# Altium PCB AX7103-2021-0629.PcbDoc (part 7 of 7)
Units mil, origin at the board's own origin, x right, y up, seen from the top; angles counter-clockwise.
Board outline 7406.51 x 4363.82 mil, 6 copper layers (TOP, SGND, IN1, IN2, SGND1, BOTTOM), stack 47.2 mil thick; 347 components, 454 nets, 1784 pads, 724 vias.
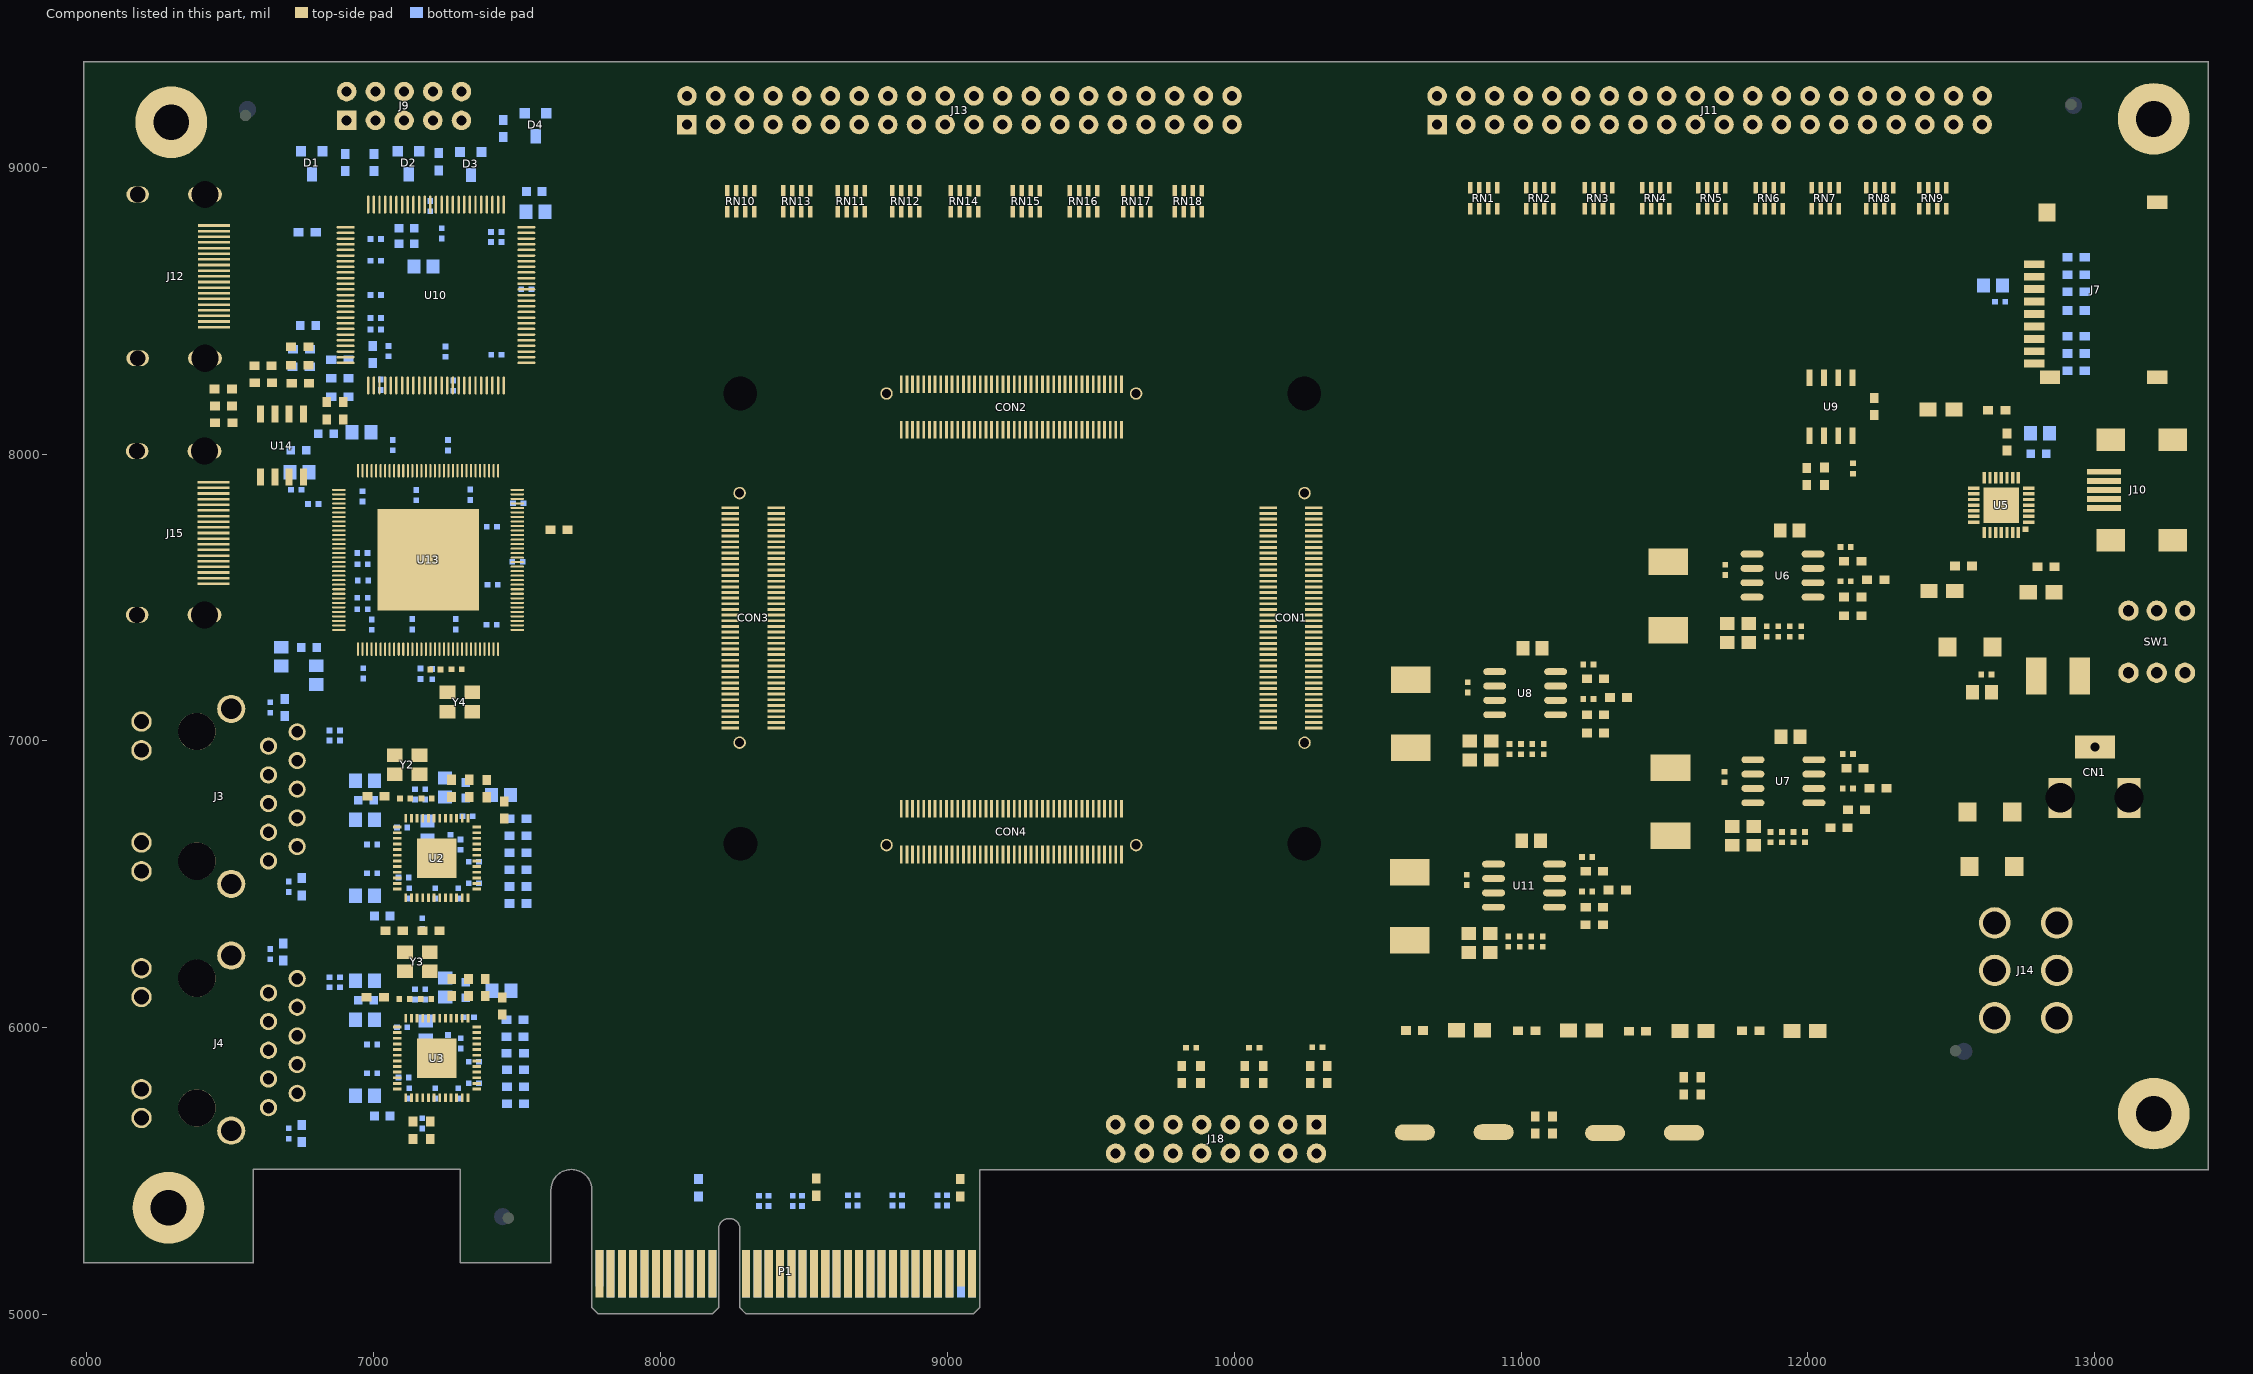
[diagram p11: the components of this part, seen from the top]

## Other copper (continued)
BOTTOM:
  pour cut-out: 0,0 10,0 10,10 0,10
  pour cut-out: 0,0 10,0 10,10 0,10
  pour cut-out: 0,0 10,0 10,10 0,10
  pour cut-out: 0,0 10,0 10,10 0,10
  pour cut-out: 0,0 10,0 10,10 0,10
  pour cut-out: 0,0 10,0 10,10 0,10
  pour cut-out: 0,0 10,0 10,10 0,10
  pour cut-out: 0,0 10,0 10,10 0,10
  pour cut-out: 0,0 10,0 10,10 0,10
  pour cut-out: 0,0 10,0 10,10 0,10
  pour cut-out: 0,0 10,0 10,10 0,10
  pour cut-out: 0,0 10,0 10,10 0,10
  pour cut-out: 0,0 10,0 10,10 0,10
  pour cut-out: 0,0 10,0 10,10 0,10
  pour cut-out: 0,0 10,0 10,10 0,10
  pour cut-out: 0,0 10,0 10,10 0,10
  pour cut-out: 0,0 10,0 10,10 0,10
  pour cut-out: 0,0 10,0 10,10 0,10
  pour cut-out: 0,0 10,0 10,10 0,10
  pour cut-out: 0,0 10,0 10,10 0,10
  pour cut-out: 11022.84,6923.85 11021.72,6929.52 11018.51,6934.32 11013.71,6937.53 11008.04,6938.65 11002.37,6937.53 10997.57,6934.32 10994.36,6929.52 10993.24,6923.85 10994.36,6918.18 10997.57,6913.38 11002.37,6910.17 11008.04,6909.05 11013.71,6910.17 11018.51,6913.38 11021.72,6918.18 11022.84,6923.85
  pour cut-out: 10977.84,6923.85 10976.72,6929.52 10973.51,6934.32 10968.71,6937.53 10963.04,6938.65 10957.37,6937.53 10952.57,6934.32 10949.36,6929.52 10948.24,6923.85 10949.36,6918.18 10952.57,6913.38 10957.37,6910.17 10963.04,6909.05 10968.71,6910.17 10973.51,6913.38 10976.72,6918.18 10977.84,6923.85
  pour cut-out: 10985.4,7091.62 10984.28,7097.29 10981.07,7102.09 10976.27,7105.3 10970.6,7106.42 10964.93,7105.3 10960.13,7102.09 10956.92,7097.29 10955.8,7091.62 10956.92,7085.95 10960.13,7081.15 10964.93,7077.94 10970.6,7076.82 10976.27,7077.94 10981.07,7081.15 10984.28,7085.95 10985.4,7091.62
  pour cut-out: 11123.84,6646.85 11122.72,6652.52 11119.51,6657.32 11114.71,6660.53 11109.04,6661.65 11103.37,6660.53 11098.57,6657.32 11095.36,6652.52 11094.24,6646.85 11095.36,6641.18 11098.57,6636.38 11103.37,6633.17 11109.04,6632.05 11114.71,6633.17 11119.51,6636.38 11122.72,6641.18 11123.84,6646.85
  pour cut-out: 11127.84,7317.85 11126.72,7323.52 11123.51,7328.32 11118.71,7331.53 11113.04,7332.65 11107.37,7331.53 11102.57,7328.32 11099.36,7323.52 11098.24,7317.85 11099.36,7312.18 11102.57,7307.38 11107.37,7304.17 11113.04,7303.05 11118.71,7304.17 11123.51,7307.38 11126.72,7312.18 11127.84,7317.85
  pour cut-out: 11336.4,6595.62 11335.28,6601.29 11332.07,6606.09 11327.27,6609.3 11321.6,6610.42 11315.93,6609.3 11311.13,6606.09 11307.92,6601.29 11306.8,6595.62 11307.92,6589.95 11311.13,6585.15 11315.93,6581.94 11321.6,6580.82 11327.27,6581.94 11332.07,6585.15 11335.28,6589.95 11336.4,6595.62
  pour cut-out: 11384.4,7118.62 11383.28,7124.29 11380.07,7129.09 11375.27,7132.3 11369.6,7133.42 11363.93,7132.3 11359.13,7129.09 11355.92,7124.29 11354.8,7118.62 11355.92,7112.95 11359.13,7108.15 11363.93,7104.94 11369.6,7103.82 11375.27,7104.94 11380.07,7108.15 11383.28,7112.95 11384.4,7118.62
  pour cut-out: 11347.26,7091.76 11346.14,7097.43 11342.93,7102.23 11338.13,7105.44 11332.46,7106.56 11326.79,7105.44 11321.99,7102.23 11318.78,7097.43 11317.66,7091.76 11318.78,7086.09 11321.99,7081.29 11326.79,7078.08 11332.46,7076.96 11338.13,7078.08 11342.93,7081.29 11346.14,7086.09 11347.26,7091.76
  pour cut-out: 11340.4,7266.62 11339.28,7272.29 11336.07,7277.09 11331.27,7280.3 11325.6,7281.42 11319.93,7280.3 11315.13,7277.09 11311.92,7272.29 11310.8,7266.62 11311.92,7260.95 11315.13,7256.15 11319.93,7252.94 11325.6,7251.82 11331.27,7252.94 11336.07,7256.15 11339.28,7260.95 11340.4,7266.62
  pour cut-out: 11882.4,7501.62 11881.28,7507.29 11878.07,7512.09 11873.27,7515.3 11867.6,7516.42 11861.93,7515.3 11857.13,7512.09 11853.92,7507.29 11852.8,7501.62 11853.92,7495.95 11857.13,7491.15 11861.93,7487.94 11867.6,7486.82 11873.27,7487.94 11878.07,7491.15 11881.28,7495.95 11882.4,7501.62
  pour cut-out: 12033.84,7014.62 12032.72,7020.29 12029.51,7025.09 12024.71,7028.3 12019.04,7029.42 12013.37,7028.3 12008.57,7025.09 12005.36,7020.29 12004.24,7014.62 12005.36,7008.95 12008.57,7004.15 12013.37,7000.94 12019.04,6999.82 12024.71,7000.94 12029.51,7004.15 12032.72,7008.95 12033.84,7014.62
  pour cut-out: 11963.4,7333.62 11962.28,7339.29 11959.07,7344.09 11954.27,7347.3 11948.6,7348.42 11942.93,7347.3 11938.13,7344.09 11934.92,7339.29 11933.8,7333.62 11934.92,7327.95 11938.13,7323.15 11942.93,7319.94 11948.6,7318.82 11954.27,7319.94 11959.07,7323.15 11962.28,7327.95 11963.4,7333.62
  pour cut-out: 12046.4,7733.62 12045.28,7739.29 12042.07,7744.09 12037.27,7747.3 12031.6,7748.42 12025.93,7747.3 12021.13,7744.09 12017.92,7739.29 12016.8,7733.62 12017.92,7727.95 12021.13,7723.15 12025.93,7719.94 12031.6,7718.82 12037.27,7719.94 12042.07,7723.15 12045.28,7727.95 12046.4,7733.62
  pour cut-out: 12246.4,6954.62 12245.28,6960.29 12242.07,6965.09 12237.27,6968.3 12231.6,6969.42 12225.93,6968.3 12221.13,6965.09 12217.92,6960.29 12216.8,6954.62 12217.92,6948.95 12221.13,6944.15 12225.93,6940.94 12231.6,6939.82 12237.27,6940.94 12242.07,6944.15 12245.28,6948.95 12246.4,6954.62
  pour cut-out: 12244.26,7501.76 12243.14,7507.43 12239.93,7512.23 12235.13,7515.44 12229.46,7516.56 12223.79,7515.44 12218.99,7512.23 12215.78,7507.43 12214.66,7501.76 12215.78,7496.09 12218.99,7491.29 12223.79,7488.08 12229.46,7486.96 12235.13,7488.08 12239.93,7491.29 12243.14,7496.09 12244.26,7501.76
  pour cut-out: 12237.4,7676.62 12236.28,7682.29 12233.07,7687.09 12228.27,7690.3 12222.6,7691.42 12216.93,7690.3 12212.13,7687.09 12208.92,7682.29 12207.8,7676.62 12208.92,7670.95 12212.13,7666.15 12216.93,7662.94 12222.6,7661.82 12228.27,7662.94 12233.07,7666.15 12236.28,7670.95 12237.4,7676.62
  pour cut-out: 12544.84,7169.85 12543.72,7175.52 12540.51,7180.32 12535.71,7183.53 12530.04,7184.65 12524.37,7183.53 12519.57,7180.32 12516.36,7175.52 12515.24,7169.85 12516.36,7164.18 12519.57,7159.38 12524.37,7156.17 12530.04,7155.05 12535.71,7156.17 12540.51,7159.38 12543.72,7164.18 12544.84,7169.85
  pour cut-out: 12582.84,7231.85 12581.72,7237.52 12578.51,7242.32 12573.71,7245.53 12568.04,7246.65 12562.37,7245.53 12557.57,7242.32 12554.36,7237.52 12553.24,7231.85 12554.36,7226.18 12557.57,7221.38 12562.37,7218.17 12568.04,7217.05 12573.71,7218.17 12578.51,7221.38 12581.72,7226.18 12582.84,7231.85
  pour cut-out: 0,0 10,0 10,10 0,10
  pour cut-out: 0,0 10,0 10,10 0,10
  pour cut-out: 0,0 10,0 10,10 0,10
  pour cut-out: 0,0 10,0 10,10 0,10
  pour cut-out: 0,0 10,0 10,10 0,10
  pour cut-out: 0,0 10,0 10,10 0,10
  pour cut-out: 0,0 10,0 10,10 0,10
  pour cut-out: 0,0 10,0 10,10 0,10
  pour cut-out: 0,0 10,0 10,10 0,10
  pour cut-out: 0,0 10,0 10,10 0,10
  pour cut-out: 0,0 10,0 10,10 0,10
  pour cut-out: 0,0 10,0 10,10 0,10
  pour cut-out: 0,0 10,0 10,10 0,10
  pour cut-out: 0,0 10,0 10,10 0,10
  pour cut-out: 0,0 10,0 10,10 0,10
  pour cut-out: 0,0 10,0 10,10 0,10
  pour cut-out: 0,0 10,0 10,10 0,10
  pour cut-out: 0,0 10,0 10,10 0,10
  pour cut-out: 0,0 10,0 10,10 0,10
  pour cut-out: 0,0 10,0 10,10 0,10
  pour cut-out: 0,0 10,0 10,10 0,10
  pour cut-out: 0,0 10,0 10,10 0,10
  pour cut-out: 0,0 10,0 10,10 0,10
  pour cut-out: 0,0 10,0 10,10 0,10
  pour cut-out: 0,0 10,0 10,10 0,10
  pour cut-out: 0,0 10,0 10,10 0,10
  pour cut-out: 0,0 10,0 10,10 0,10
  pour cut-out: 0,0 10,0 10,10 0,10
  pour cut-out: 0,0 10,0 10,10 0,10
  pour cut-out: 0,0 10,0 10,10 0,10
  pour cut-out: 0,0 10,0 10,10 0,10
  pour cut-out: 0,0 10,0 10,10 0,10
  pour cut-out: 0,0 10,0 10,10 0,10
  pour cut-out: 0,0 10,0 10,10 0,10
  pour cut-out: 0,0 10,0 10,10 0,10
  pour cut-out: 0,0 10,0 10,10 0,10
  pour cut-out: 0,0 10,0 10,10 0,10
  pour cut-out: 0,0 10,0 10,10 0,10
  pour cut-out: 0,0 10,0 10,10 0,10
  pour cut-out: 0,0 10,0 10,10 0,10
  pour cut-out: 0,0 10,0 10,10 0,10
  pour cut-out: 0,0 10,0 10,10 0,10
  pour cut-out: 0,0 10,0 10,10 0,10
  pour cut-out: 0,0 10,0 10,10 0,10
  pour cut-out: 12789.94,8842.75 12788.82,8848.42 12785.61,8853.22 12780.81,8856.43 12775.14,8857.55 12769.47,8856.43 12764.67,8853.22 12761.46,8848.42 12760.34,8842.75 12761.46,8837.08 12764.67,8832.28 12769.47,8829.07 12775.14,8827.95 12780.81,8829.07 12785.61,8832.28 12788.82,8837.08 12789.94,8842.75
  pour cut-out: 12708.74,7671.85 12707.62,7677.52 12704.41,7682.32 12699.61,7685.53 12693.94,7686.65 12688.27,7685.53 12683.47,7682.32 12680.26,7677.52 12679.14,7671.85 12680.26,7666.18 12683.47,7661.38 12688.27,7658.17 12693.94,7657.05 12699.61,7658.17 12704.41,7661.38 12707.62,7666.18 12708.74,7671.85
  pour cut-out: 12647.06,9248.82 12645.72,9259.01 12641.78,9268.5 12635.53,9276.65 12627.38,9282.9 12617.89,9286.84 12607.7,9288.18 12597.51,9286.84 12588.02,9282.9 12579.87,9276.65 12573.62,9268.5 12569.68,9259.01 12568.34,9248.82 12569.68,9238.63 12573.62,9229.14 12579.87,9220.99 12588.02,9214.74 12597.51,9210.8 12607.7,9209.46 12617.89,9210.8 12627.38,9214.74 12635.53,9220.99 12641.78,9229.14 12645.72,9238.63 12647.06,9248.82
  pour cut-out: 12647.06,9148.82 12645.72,9159.01 12641.78,9168.5 12635.53,9176.65 12627.38,9182.9 12617.89,9186.84 12607.7,9188.18 12597.51,9186.84 12588.02,9182.9 12579.87,9176.65 12573.62,9168.5 12569.68,9159.01 12568.34,9148.82 12569.68,9138.63 12573.62,9129.14 12579.87,9120.99 12588.02,9114.74 12597.51,9110.8 12607.7,9109.46 12617.89,9110.8 12627.38,9114.74 12635.53,9120.99 12641.78,9129.14 12645.72,9138.63 12647.06,9148.82
  pour cut-out: 12586.81,7650.88 12585.69,7656.55 12582.48,7661.35 12577.68,7664.56 12572.01,7665.68 12566.34,7664.56 12561.54,7661.35 12558.33,7656.55 12557.21,7650.88 12558.33,7645.21 12561.54,7640.41 12566.34,7637.2 12572.01,7636.08 12577.68,7637.2 12582.48,7640.41 12585.69,7645.21 12586.81,7650.88
  pour cut-out: 12285.84,8195.85 12284.72,8201.52 12281.51,8206.32 12276.71,8209.53 12271.04,8210.65 12265.37,8209.53 12260.57,8206.32 12257.36,8201.52 12256.24,8195.85 12257.36,8190.18 12260.57,8185.38 12265.37,8182.17 12271.04,8181.05 12276.71,8182.17 12281.51,8185.38 12284.72,8190.18 12285.84,8195.85
  pour cut-out: 12120.51,8210.18 12119.39,8215.85 12116.18,8220.65 12111.38,8223.86 12105.71,8224.98 12100.04,8223.86 12095.24,8220.65 12092.03,8215.85 12090.91,8210.18 12092.03,8204.51 12095.24,8199.71 12100.04,8196.5 12105.71,8195.38 12111.38,8196.5 12116.18,8199.71 12119.39,8204.51 12120.51,8210.18
  pour cut-out: 12170.51,8211.52 12169.39,8217.19 12166.18,8221.99 12161.38,8225.2 12155.71,8226.32 12150.04,8225.2 12145.24,8221.99 12142.03,8217.19 12140.91,8211.52 12142.03,8205.85 12145.24,8201.05 12150.04,8197.84 12155.71,8196.72 12161.38,8197.84 12166.18,8201.05 12169.39,8205.85 12170.51,8211.52
  pour cut-out: 12070.51,8210.52 12069.39,8216.19 12066.18,8220.99 12061.38,8224.2 12055.71,8225.32 12050.04,8224.2 12045.24,8220.99 12042.03,8216.19 12040.91,8210.52 12042.03,8204.85 12045.24,8200.05 12050.04,8196.84 12055.71,8195.72 12061.38,8196.84 12066.18,8200.05 12069.39,8204.85 12070.51,8210.52
  pour cut-out: 12020.51,8205.18 12019.39,8210.85 12016.18,8215.65 12011.38,8218.86 12005.71,8219.98 12000.04,8218.86 11995.24,8215.65 11992.03,8210.85 11990.91,8205.18 11992.03,8199.51 11995.24,8194.71 12000.04,8191.5 12005.71,8190.38 12011.38,8191.5 12016.18,8194.71 12019.39,8199.51 12020.51,8205.18
  pour cut-out: 11925.4,6621.62 11924.28,6627.29 11921.07,6632.09 11916.27,6635.3 11910.6,6636.42 11904.93,6635.3 11900.13,6632.09 11896.92,6627.29 11895.8,6621.62 11896.92,6615.95 11900.13,6611.15 11904.93,6607.94 11910.6,6606.82 11916.27,6607.94 11921.07,6611.15 11924.28,6615.95 11925.4,6621.62
  pour cut-out: 11963.4,6620.62 11962.28,6626.29 11959.07,6631.09 11954.27,6634.3 11948.6,6635.42 11942.93,6634.3 11938.13,6631.09 11934.92,6626.29 11933.8,6620.62 11934.92,6614.95 11938.13,6610.15 11942.93,6606.94 11948.6,6605.82 11954.27,6606.94 11959.07,6610.15 11962.28,6614.95 11963.4,6620.62
  pour cut-out: 12002.4,6621.62 12001.28,6627.29 11998.07,6632.09 11993.27,6635.3 11987.6,6636.42 11981.93,6635.3 11977.13,6632.09 11973.92,6627.29 11972.8,6621.62 11973.92,6615.95 11977.13,6611.15 11981.93,6607.94 11987.6,6606.82 11993.27,6607.94 11998.07,6611.15 12001.28,6615.95 12002.4,6621.62
  pour cut-out: 10832.4,6214.29 10831.28,6219.96 10828.07,6224.76 10823.27,6227.97 10817.6,6229.09 10811.93,6227.97 10807.13,6224.76 10803.92,6219.96 10802.8,6214.29 10803.92,6208.62 10807.13,6203.82 10811.93,6200.61 10817.6,6199.49 10823.27,6200.61 10828.07,6203.82 10831.28,6208.62 10832.4,6214.29
  pour cut-out: 10032.06,9248.82 10030.72,9259.01 10026.78,9268.5 10020.53,9276.65 10012.38,9282.9 10002.89,9286.84 9992.7,9288.18 9982.51,9286.84 9973.02,9282.9 9964.87,9276.65 9958.62,9268.5 9954.68,9259.01 9953.34,9248.82 9954.68,9238.63 9958.62,9229.14 9964.87,9220.99 9973.02,9214.74 9982.51,9210.8 9992.7,9209.46 10002.89,9210.8 10012.38,9214.74 10020.53,9220.99 10026.78,9229.14 10030.72,9238.63 10032.06,9248.82
  pour cut-out: 10032.06,9148.82 10030.72,9159.01 10026.78,9168.5 10020.53,9176.65 10012.38,9182.9 10002.89,9186.84 9992.7,9188.18 9982.51,9186.84 9973.02,9182.9 9964.87,9176.65 9958.62,9168.5 9954.68,9159.01 9953.34,9148.82 9954.68,9138.63 9958.62,9129.14 9964.87,9120.99 9973.02,9114.74 9982.51,9110.8 9992.7,9109.46 10002.89,9110.8 10012.38,9114.74 10020.53,9120.99 10026.78,9129.14 10030.72,9138.63 10032.06,9148.82
  pour cut-out: 9626.4,5662.85 9625.06,5673.04 9621.12,5682.53 9614.87,5690.68 9606.72,5696.93 9597.23,5700.87 9587.04,5702.21 9576.85,5700.87 9567.36,5696.93 9559.21,5690.68 9552.96,5682.53 9549.02,5673.04 9547.68,5662.85 9549.02,5652.66 9552.96,5643.17 9559.21,5635.02 9567.36,5628.77 9576.85,5624.83 9587.04,5623.49 9597.23,5624.83 9606.72,5628.77 9614.87,5635.02 9621.12,5643.17 9625.06,5652.66 9626.4,5662.85
  pour cut-out: 7370.84,6264.85 7369.72,6270.52 7366.51,6275.32 7361.71,6278.53 7356.04,6279.65 7350.37,6278.53 7345.57,6275.32 7342.36,6270.52 7341.24,6264.85 7342.36,6259.18 7345.57,6254.38 7350.37,6251.17 7356.04,6250.05 7361.71,6251.17 7366.51,6254.38 7369.72,6259.18 7370.84,6264.85

## Silkscreen, mask and mechanical layers (free items; w line width, h text height)
Top Overlay:
  lines w5: 8177.4,6540.99 8177.4,8312.65 10342.76,8312.65 10342.76,6540.99 8177.4,6540.99
  text "2" at 10398.35,9227.34 h63
  text "2" at 7785.35,9218.34 h63
  text "1" at 7787.35,9107.34 h63
  text "1" at 10402.35,9094.34 h63
Top Solder:
  region: 7770.04,5055.85 8198.04,5055.85 8198.04,5227.85 7770.04,5227.85
  region: 8281.04,5053.85 9104.04,5053.85 9104.04,5228.85 8281.04,5228.85
NCLEGEND-1-6:
  lines w1: 7771.04,10244.21 11841.04,10244.21 ; 7771.04,10421.38 11841.04,10421.38 ; 7771.04,10598.54 11841.04,10598.54 ; 7771.04,10775.71 11841.04,10775.71 ; 7771.04,10952.87 11841.04,10952.87 ; 7771.04,11130.03 11841.04,11130.03 ; 7771.04,11307.2 11841.04,11307.2 ; 7771.04,11484.37 11841.04,11484.37 ; 7771.04,11661.53 11841.04,11661.53 ; 7771.04,11838.69 11841.04,11838.69 ; 7771.04,12015.86 11841.04,12015.86 ; 7771.04,12193.03 11841.04,12193.03 ; 7771.04,12370.19 11841.04,12370.19 ; 7771.04,12547.35 11841.04,12547.35 ; 7771.04,12724.52 11841.04,12724.52 ; 7771.04,12901.69 11841.04,12901.69 ; 7771.04,13078.85 11841.04,13078.85 ; 7771.04,13249.85 11841.04,13249.85 ; 7771.04,13420.85 11841.04,13420.85 ; 7993.04,10864.29 8093.04,10864.29 ; 8023.04,12813.1 8063.04,12813.1 ; 8033.04,12990.27 8053.04,12990.27 ; 8043.04,10814.29 8043.04,10914.29 ; 8043.04,12793.1 8043.04,12833.1 ; 8043.04,12980.27 8043.04,13000.27 ; 8315.04,10067.05 8315.04,13249.85 ; 9459.04,10067.05 9459.04,13249.85 ; 10603.04,10067.05 10603.04,13249.85 ; 11372.04,10067.05 11372.04,13249.85 ; 7771.04,10067.05 7771.04,13670.85 11841.04,13670.85 11841.04,10067.05 7771.04,10067.05 ; 7956.45,11572.95 7981.81,11511.72 8043.04,11486.36 8104.27,11511.72 8129.63,11572.95 8104.27,11634.18 8043.04,11659.54 7981.81,11634.18 7956.45,11572.95 ; 7966.33,11750.11 7988.8,11695.87 8043.04,11673.4 8097.28,11695.87 8119.75,11750.11 8097.28,11804.35 8043.04,11826.82 7988.8,11804.35 7966.33,11750.11 ; 7980.54,11193.62 7980.54,11243.62 8105.54,11243.62 8105.54,11193.62 7980.54,11193.62 ; 7983.98,11395.78 8043.04,11454.83 8102.1,11395.78 8043.04,11336.73 7983.98,11395.78 ; 8007.61,10124.13 ccw(c8007.61,10155.63) 8007.61,10187.13 8078.47,10187.13 ccw(c8078.47,10155.63) 8078.47,10124.13 8007.61,10124.13 ; 8007.61,10301.29 ccw(c8007.61,10332.79) 8007.61,10364.29 8078.47,10364.29 ccw(c8078.47,10332.79) 8078.47,10301.29 8007.61,10301.29 ; 8011.55,10478.46 ccw(c8011.55,10509.96) 8011.55,10541.46 8074.53,10541.46 ccw(c8074.53,10509.96) 8074.53,10478.46 8011.55,10478.46 ; 8017.45,11927.28 8030.24,11901.69 8055.84,11901.69 8068.63,11927.28 8055.84,11952.87 8030.24,11952.87 8017.45,11927.28 ; 8023.04,12084.44 8063.04,12084.44 8063.04,12124.44 8023.04,12124.44 8023.04,12084.44 ; 8023.35,12261.92 8043.04,12301.3 8062.73,12261.92 8023.35,12261.92 ; 8025.52,12458.77 8043.04,12476.29 8060.56,12458.77 8043.04,12441.25 8025.52,12458.77 ; 8025.54,12618.44 8060.54,12618.44 8060.54,12653.44 8025.54,12653.44 8025.54,12618.44 ; 8031.23,10655.62 ccw(c8031.23,10687.12) 8031.23,10718.62 8054.85,10718.62 ccw(c8054.85,10687.12) 8054.85,10655.62 8031.23,10655.62 ; 8032.21,11041.45 8037.62,11030.62 8048.45,11030.62 8053.87,11041.45 8048.45,11052.28 8037.62,11052.28 8032.21,11041.45
  text "DRILL CHART" at 9476.04,13558.35 h75
  text "ALL UNITS ARE IN MILS" at 9176.04,13308.35 h75
  text "FIGURE" at 7863.04,13137.35 h75
  text "SIZE" at 8767.04,13137.35 h75
  text "TOLERANCE" at 9761.04,13137.35 h75
  text "PLATED" at 10807.54,13137.35 h75
  text "QTY" at 11516.54,13137.35 h75
  text "8.0" at 8797.04,12952.77 h75
  text "+3.0/-3.0" at 9761.04,12952.77 h75
  text "PLATED" at 10807.54,12952.77 h75
  text "36" at 11546.54,12952.77 h75
  text "12.0" at 8767.04,12775.6 h75
  text "+3.0/-3.0" at 9761.04,12775.6 h75
  text "PLATED" at 10807.54,12775.6 h75
  text "688" at 11516.54,12775.6 h75
  text "35.0" at 8767.04,12598.44 h75
  text "+3.0/-3.0" at 9761.04,12598.44 h75
  text "PLATED" at 10807.54,12598.44 h75
  text "96" at 11546.54,12598.44 h75
  text "35.04" at 8737.04,12421.27 h75
  text "+3.0/-3.0" at 9761.04,12421.27 h75
  text "PLATED" at 10807.54,12421.27 h75
  text "10" at 11546.54,12421.27 h75
  text "39.37" at 8737.04,12244.11 h75
  text "+3.0/-3.0" at 9761.04,12244.11 h75
  text "PLATED" at 10807.54,12244.11 h75
  text "6" at 11576.54,12244.11 h75
  text "40.0" at 8767.04,12066.94 h75
  text "+3.0/-3.0" at 9761.04,12066.94 h75
  text "PLATED" at 10807.54,12066.94 h75
  text "20" at 11546.54,12066.94 h75
  text "51.18" at 8737.04,11889.78 h75
  text "+3.0/-3.0" at 9761.04,11889.78 h75
  text "PLATED" at 10807.54,11889.78 h75
  text "8" at 11576.54,11889.78 h75
  text "70.87" at 8737.04,11712.61 h75
  text "+3.0/-3.0" at 9761.04,11712.61 h75
  text "PLATED" at 10807.54,11712.61 h75
  text "4" at 11576.54,11712.61 h75
  text "71.0" at 8767.04,11535.45 h75
  text "+3.0/-3.0" at 9761.04,11535.45 h75
  text "PLATED" at 10807.54,11535.45 h75
  text "6" at 11576.54,11535.45 h75
  text "118.11" at 8707.04,11358.28 h75
  text "+3.0/-3.0" at 9761.04,11358.28 h75
  text "PLATED" at 10807.54,11358.28 h75
  text "4" at 11576.54,11358.28 h75
  text "125.0" at 8737.04,11181.12 h75
  text "+3.0/-3.0" at 9761.04,11181.12 h75
  text "PLATED" at 10807.54,11181.12 h75
  text "4" at 11576.54,11181.12 h75
  text "21.66" at 8737.04,11003.95 h75
  text "+3.0/-3.0" at 9761.04,11003.95 h75
  text "NON-PLATED" at 10687.54,11003.95 h75
  text "8" at 11576.54,11003.95 h75
  text "129.92" at 8707.04,10826.79 h75
  text "+3.0/-3.0" at 9761.04,10826.79 h75
  text "NON-PLATED" at 10687.54,10826.79 h75
  text "4" at 11576.54,10826.79 h75
  text "55.12x31.5" at 8587.04,10649.62 h75
  text "+3.0/-3.0" at 9761.04,10649.62 h75
  text "PLATED" at 10807.54,10649.62 h75
  text "4" at 11576.54,10649.62 h75
  text "94.49x31.5" at 8587.04,10472.46 h75
  text "+3.0/-3.0" at 9761.04,10472.46 h75
  text "PLATED" at 10807.54,10472.46 h75
  text "4" at 11576.54,10472.46 h75
  text "102.36x31.5" at 8557.04,10295.29 h75
  text "+3.0/-3.0" at 9761.04,10295.29 h75
  text "PLATED" at 10807.54,10295.29 h75
  text "1" at 11576.54,10295.29 h75
  text "102.36x31.5" at 8557.04,10118.13 h75
  text "+3.0/-3.0" at 9761.04,10118.13 h75
  text "PLATED" at 10807.54,10118.13 h75
  text "2" at 11576.54,10118.13 h75
PEN3:
  drawing of 9993 lines, arcs and shapes, not listed
DIMENSION-1:
  drawing of 153 lines, arcs and shapes, not listed
  text "Notes:" at 14617.5,11668 h50
  text "Notes:" at 14617.5,11668 h50
  text "1.FINISHED PCB THICHNESS:1.9+/-0.2mm" at 14715.93,11569.58 h50
  text "1.FINISHED PCB THICHNESS:1.9+/-0.2mm" at 14715.93,11569.58 h50
  text "2.SOLDERMASK:{BLACK}" at 14715.93,11471.15 h50
  text "2.SOLDERMASK:{BLACK}" at 14715.93,11471.15 h50
  text "3.SILKSCREEN: SM60W/PC521 {WHITE} OR EQUIVALENT" at 14715.93,11392.41 h50
  text "3.SILKSCREEN: SM60W/PC521 {WHITE} OR EQUIVALENT" at 14715.93,11392.41 h50
  text "4.MATERIAL:FR4 or Similar" at 14715.93,11293.99 h50
  text "4.MATERIAL:FR4 or Similar" at 14715.93,11293.99 h50
  text "5.FINISH: IMMERSION GOLD : NICKEL 2.5um MINIMUM" at 14715.93,11195.56 h50
  text "5.FINISH: IMMERSION GOLD : NICKEL 2.5um MINIMUM" at 14715.93,11195.56 h50
  text "GOLD 0.05um MINIMUM" at 15958.24,11086.48 h50
  text "6.TOLERANCE: HOLES DIAMETER {NPTH} +/-0.003\"" at 14718.3,10956.33 h50
  text "{PTH} +/-0.003\"" at 16055.59,10854.09 h50
  text "HOLES {CENTRE TO CENTRE} +/-0.003\"" at 15190.13,10744.54 h50
  text "OUTLINE {DATUM TO HOLES} +/-0.003\"" at 15196.85,10629.76 h50
  text "{DATUM TO EDGE} +/-0.005\"" at 15613.75,10498.62 h50
  text "{EDGE TO EDGE/CENTRE TO EDGE} +/-0.005\"" at 14975.28,10389.11 h50
  text "7.LINE WIDTH/SPACING: +/-20%" at 14726.59,10254.84 h50
  text "8.ALL VIAS ARE TENTED" at 14726.6,10108.78 h50
  text "9.CONTROLLED DIFFERENTAIL IMPEDANCE 100 OHM +/-10%" at 14726.6,9972.45 h50
  text "10.CONTROLLED IMPENDANCE 50 OHM +/-10%" at 14703.27,9850.93 h50
  text "188 MM" at 9008.54,9682.35 h125
  text "188 MM" at 9008.54,9682.35 h125
  text "LINE WITH IMPEDANCE CHART FOR REFERENCE" at 15162.99,9464.66 h50
  text "DIFF-PAIR" at 16469.08,9311.28 h50
  text "SINGLE ENDED" at 15792.58,9276.69 h50
  text "100ohm" at 16544.72,9228.7 h50
  text "50ohm" at 15934.46,9203.01 h50
  text "(WIDTH/SPACE)" at 16400.08,9129.32 h50
  text "WIDTH" at 15938.97,9118.81 h50
  text "6mil" at 15967.1,8992.48 h50
  text "5mil/6mil" at 16494.04,8992.18 h50
  text "L1" at 15280.04,8985.09 h50
  text "(GND)" at 15432.73,8824.06 h50
  text "L2" at 15283.05,8816.67 h50
  text "5mil" at 15970.11,8676.7 h50
  text "5mil/6mil" at 16498.04,8668.18 h50
  text "L3" at 15289.06,8657.27 h50
  text "5mil" at 15974.79,8515.92 h50
  text "L4" at 15292.04,8511.18 h50
  text "5mil/6mil" at 16501.04,8511.18 h50
  text "(GND)" at 15439.79,8354.88 h50
  text "L5" at 15294.04,8345.18 h50
  text "6mil" at 15980.8,8194.12 h50
  text "5mil/6mil" at 16498.04,8194.18 h50
  text "L6" at 15294.04,8173.18 h50
  text "TOP SIDE" at 15984.22,7577.12 h50
  text "0.333oz" at 18237.33,7399.01 h50
  text "LAYER 1      L1 TOP" at 15619.87,7391.59 h50
  text "106.65MM" at 4901.54,7206.35 h125
  text "106.65MM" at 4901.54,7206.35 h125
  text "1oz" at 18237.33,6999.01 h50
  text "LAYER 2      L2 GND" at 15628.85,6994.83 h50
  text "1oz" at 18237.33,6599.01 h50
  text "LAYER 3      L3 INNER" at 15628.85,6594.83 h50
  text "1oz" at 18237.33,6199.01 h50
  text "LAYER 4      L4 INNER" at 15628.85,6194.83 h50
  text "1oz" at 18237.33,5799.01 h50
  text "LAYER 5      L5 GND" at 15628.85,5794.83 h50
  text "0.333oz" at 18246.04,5403.18 h50
  text "LAYER 6      L6 BOTTOM" at 15628.85,5394.83 h50
DRAWING_ORIGIN:
  lines w1: 5965.04,5181.85 6015.04,5181.85 ; 5990.04,5156.85 5990.04,5206.85
PIN_NUMBER:
  text "1" at 12897.04,9218.85 h25
  text "1" at 12906.04,9215.85 h25
  text "1" at 6540.9,9201.51 h25
  text "1" at 6533.9,9180.51 h25
  text "1" at 8268.51,8211.75 h25
  text "1" at 10234.51,8211.75 h25
  text "1" at 8269.51,6641.75 h25
  text "1" at 10234.51,6641.75 h25
  text "1" at 12494.74,5920.15 h25
  text "1" at 12523.74,5918.15 h25
  text "1" at 7430.04,5341.85 h25
  text "1" at 7450.04,5336.85 h25
ASSEMBLY_TOP:
  pour cut-out: 8180.08,8310.18 8180.08,8113.32 8376.94,8113.32 8376.94,8310.18 8180.08,8310.18 0,0
  pour cut-out: 8181.08,6740.18 8181.08,6543.32 8377.94,6543.32 8377.94,6740.18 8181.08,6740.18 0,0
  pour cut-out: 10146.08,6740.18 10146.08,6543.32 10342.94,6543.32 10342.94,6740.18 10146.08,6740.18 0,0
  pour cut-out: 10146.08,8310.18 10146.08,8113.32 10342.94,8113.32 10342.94,8310.18 10146.08,8310.18 0,0
  text "U*" at 12899.78,9214.86 h25
  text "U*" at 6536.64,9176.52 h25
  text "U*" at 8269.51,8210.75 h25
  text "U*" at 10235.51,8210.75 h25
  text "U*" at 8270.51,6640.75 h25
  text "U*" at 10235.51,6640.75 h25
  text "U*" at 12497.48,5916.16 h25
  text "U*" at 7452.78,5332.86 h25
ASSEMBLY_BOTTOM:
  text "U*" at 12943.3,9211.86 h25
  text "U*" at 6578.16,9197.52 h25
  text "U*" at 12561,5914.16 h25
  text "U*" at 7467.3,5337.86 h25

## Text inside footprints (layer, text, board x,y; h text height)
C61: PIN_NUMBER "2" at 7588.04,8844.85 h25 r180; PIN_NUMBER "1" at 7522.04,8844.85 h25 r180
C62: PIN_NUMBER "2" at 7267.8,8256.46 h25 r270; PIN_NUMBER "1" at 7267.8,8220.46 h25 r270
C63: PIN_NUMBER "2" at 7187.8,8846.46 h25 r90; PIN_NUMBER "1" at 7187.8,8882.46 h25 r90
C64: PIN_NUMBER "2" at 7015.04,8259.85 h25 r270; PIN_NUMBER "1" at 7015.04,8223.85 h25 r270
C65: PIN_NUMBER "2" at 7042.3,8376.96 h25 r270; PIN_NUMBER "1" at 7042.3,8340.96 h25 r270
C66: PIN_NUMBER "2" at 7227.8,8751.46 h25 r90; PIN_NUMBER "1" at 7227.8,8787.46 h25 r90
C67: PIN_NUMBER "2" at 7240.8,8374.96 h25 r270; PIN_NUMBER "1" at 7240.8,8338.96 h25 r270
C68: PIN_NUMBER "2" at 7399.8,8739.46 h25; PIN_NUMBER "1" at 7435.8,8739.46 h25
C69: PIN_NUMBER "2" at 7399.8,8774.46 h25; PIN_NUMBER "1" at 7435.8,8774.46 h25
C70: PIN_NUMBER "2" at 7400.3,8345.96 h25; PIN_NUMBER "1" at 7436.3,8345.96 h25
C71: PIN_NUMBER "1" at 7015.8,8434.46 h25; PIN_NUMBER "2" at 6979.8,8434.46 h25
C72: PIN_NUMBER "2" at 7015.8,8749.46 h25 r180; PIN_NUMBER "1" at 6979.8,8749.46 h25 r180
C73: PIN_NUMBER "2" at 7015.8,8474.46 h25 r180; PIN_NUMBER "1" at 6979.8,8474.46 h25 r180
C74: PIN_NUMBER "2" at 7015.8,8554.46 h25 r180; PIN_NUMBER "1" at 6979.8,8554.46 h25 r180
C75: PIN_NUMBER "2" at 7015.8,8674.46 h25 r180; PIN_NUMBER "1" at 6979.8,8674.46 h25 r180
C76: PIN_NUMBER "2" at 7197.04,8653.85 h25 r180; PIN_NUMBER "1" at 7131.04,8653.85 h25 r180
C77: PIN_NUMBER "2" at 7540.8,8574.46 h25 r180; PIN_NUMBER "1" at 7504.8,8574.46 h25 r180
C78: PIN_NUMBER "1" at 12147.04,7967.85 h25 r270; PIN_NUMBER "2" at 12147.04,7931.85 h25 r270
C79: PIN_NUMBER "1" at 12668.04,8587.85 h25; PIN_NUMBER "2" at 12602.04,8587.85 h25
C80: PIN_NUMBER "1" at 12678.04,8530.85 h25; PIN_NUMBER "2" at 12642.04,8530.85 h25
C81: PIN_NUMBER "2" at 10262.04,5932.85 h25 r180; PIN_NUMBER "1" at 10298.04,5932.85 h25 r180
C82: PIN_NUMBER "1" at 9858.04,5930.85 h25 r180; PIN_NUMBER "2" at 9822.04,5930.85 h25 r180
C84: PIN_NUMBER "1" at 10042.04,5930.85 h25; PIN_NUMBER "2" at 10078.04,5930.85 h25
C109: PIN_NUMBER "2" at 8451.04,5414.85 h25 r270; PIN_NUMBER "1" at 8451.04,5378.85 h25 r270
C110: PIN_NUMBER "2" at 8484.04,5414.85 h25 r270; PIN_NUMBER "1" at 8484.04,5378.85 h25 r270
C111: PIN_NUMBER "1" at 8334.04,5378.85 h25 r270; PIN_NUMBER "2" at 8334.04,5414.85 h25 r270
C112: PIN_NUMBER "1" at 8367.04,5378.85 h25 r270; PIN_NUMBER "2" at 8367.04,5414.85 h25 r270
C113: PIN_NUMBER "1" at 8832.04,5380.85 h25 r270; PIN_NUMBER "2" at 8832.04,5416.85 h25 r270
C114: PIN_NUMBER "1" at 8799.04,5380.85 h25 r270; PIN_NUMBER "2" at 8799.04,5416.85 h25 r270
C115: PIN_NUMBER "1" at 8677.04,5380.85 h25 r270; PIN_NUMBER "2" at 8677.04,5416.85 h25 r270
C116: PIN_NUMBER "1" at 8644.04,5380.85 h25 r270; PIN_NUMBER "2" at 8644.04,5416.85 h25 r270
C129: PIN_NUMBER "1" at 12766.75,8001.18 h25 r180; PIN_NUMBER "2" at 12820.75,8001.18 h25 r180
C130: PIN_NUMBER "1" at 12766.25,8072.18 h25 r180; PIN_NUMBER "2" at 12832.25,8072.18 h25 r180
C133: PIN_NUMBER "1" at 12630.04,7169.85 h25 r180; PIN_NUMBER "2" at 12564.04,7169.85 h25 r180
C134: PIN_NUMBER "1" at 12630.04,7231.85 h25 r180; PIN_NUMBER "2" at 12594.04,7231.85 h25 r180
C135: PIN_NUMBER "2" at 11701.6,7578.62 h25 r270; PIN_NUMBER "1" at 11701.6,7614.62 h25 r270
C136: PIN_NUMBER "1" at 11893.6,7733.62 h25; PIN_NUMBER "2" at 11959.6,7733.62 h25
C137: PIN_NUMBER "1" at 12103.6,7676.62 h25; PIN_NUMBER "2" at 12139.6,7676.62 h25
C138: PIN_NUMBER "1" at 11708.6,7409.62 h25 r270; PIN_NUMBER "2" at 11708.6,7343.62 h25 r270
C139: PIN_NUMBER "1" at 11783.6,7409.62 h25 r270; PIN_NUMBER "2" at 11783.6,7343.62 h25 r270
C140: PIN_NUMBER "1" at 11966.6,7399.62 h25 r270; PIN_NUMBER "2" at 11966.6,7363.62 h25 r270
C141: PIN_NUMBER "1" at 11926.6,7399.62 h25 r270; PIN_NUMBER "2" at 11926.6,7363.62 h25 r270
C142: PIN_NUMBER "1" at 11886.6,7399.62 h25 r270; PIN_NUMBER "2" at 11886.6,7363.62 h25 r270
C143: PIN_NUMBER "1" at 11846.6,7399.62 h25 r270; PIN_NUMBER "2" at 11846.6,7363.62 h25 r270
C144: PIN_NUMBER "2" at 12139.6,7556.62 h25; PIN_NUMBER "1" at 12103.6,7556.62 h25
C145: PIN_NUMBER "2" at 11699.6,6856.62 h25 r270; PIN_NUMBER "1" at 11699.6,6892.62 h25 r270
C146: PIN_NUMBER "1" at 11896.6,7014.62 h25; PIN_NUMBER "2" at 11962.6,7014.62 h25
C147: PIN_NUMBER "1" at 11726.6,6702.62 h25 r270; PIN_NUMBER "2" at 11726.6,6636.62 h25 r270
C148: PIN_NUMBER "1" at 11801.6,6702.62 h25 r270; PIN_NUMBER "2" at 11801.6,6636.62 h25 r270
C149: PIN_NUMBER "1" at 11979.6,6682.62 h25 r270; PIN_NUMBER "2" at 11979.6,6646.62 h25 r270
C150: PIN_NUMBER "1" at 11939.6,6682.62 h25 r270; PIN_NUMBER "2" at 11939.6,6646.62 h25 r270
C151: PIN_NUMBER "1" at 11899.6,6682.62 h25 r270; PIN_NUMBER "2" at 11899.6,6646.62 h25 r270
C152: PIN_NUMBER "1" at 11859.6,6682.62 h25 r270; PIN_NUMBER "2" at 11859.6,6646.62 h25 r270
C153: PIN_NUMBER "1" at 12111.6,6954.62 h25; PIN_NUMBER "2" at 12147.6,6954.62 h25
C154: PIN_NUMBER "2" at 12147.6,6834.62 h25; PIN_NUMBER "1" at 12111.6,6834.62 h25
C155: PIN_NUMBER "1" at 8989.04,5380.85 h25 r270; PIN_NUMBER "2" at 8989.04,5416.85 h25 r270
C156: PIN_NUMBER "1" at 8956.04,5380.85 h25 r270; PIN_NUMBER "2" at 8956.04,5416.85 h25 r270
C157: PIN_NUMBER "2" at 6738.8,7875.96 h25 r180; PIN_NUMBER "1" at 6702.8,7875.96 h25 r180
C158: PIN_NUMBER "2" at 6970.3,7615.96 h25 r180; PIN_NUMBER "1" at 6934.3,7615.96 h25 r180
C159: PIN_NUMBER "2" at 6969.8,7498.96 h25 r180; PIN_NUMBER "1" at 6933.8,7498.96 h25 r180
C160: PIN_NUMBER "2" at 6969.8,7459.46 h25 r180; PIN_NUMBER "1" at 6933.8,7459.46 h25 r180
C161: PIN_NUMBER "2" at 6969.3,7654.96 h25 r180; PIN_NUMBER "1" at 6933.3,7654.96 h25 r180
C162: PIN_NUMBER "2" at 6971.54,7559.35 h25 r180; PIN_NUMBER "1" at 6935.54,7559.35 h25 r180
C163: PIN_NUMBER "2" at 6984.04,7423.85 h25 r270; PIN_NUMBER "1" at 6984.04,7387.85 h25 r270
C164: PIN_NUMBER "2" at 7383.54,7404.85 h25; PIN_NUMBER "1" at 7419.54,7404.85 h25
C165: PIN_NUMBER "2" at 7139.04,7838.85 h25 r90; PIN_NUMBER "1" at 7139.04,7874.85 h25 r90
C166: PIN_NUMBER "2" at 7276.54,7424.85 h25 r270; PIN_NUMBER "1" at 7276.54,7388.85 h25 r270
C167: PIN_NUMBER "2" at 7384.54,7746.35 h25; PIN_NUMBER "1" at 7420.54,7746.35 h25
C168: PIN_NUMBER "2" at 7387.04,7544.35 h25; PIN_NUMBER "1" at 7423.04,7544.35 h25
C169: PIN_NUMBER "2" at 7327.04,7840.35 h25 r90; PIN_NUMBER "1" at 7327.04,7876.35 h25 r90
C170: PIN_NUMBER "2" at 6952.04,7834.85 h25 r90; PIN_NUMBER "1" at 6952.04,7870.85 h25 r90
C171: PIN_NUMBER "2" at 7125.54,7424.85 h25 r270; PIN_NUMBER "1" at 7125.54,7388.85 h25 r270
C172: PIN_NUMBER "2" at 7512.54,7828.35 h25 r180; PIN_NUMBER "1" at 7476.54,7828.35 h25 r180
C173: PIN_NUMBER "2" at 7154.04,7216.35 h25 r90; PIN_NUMBER "1" at 7154.04,7252.35 h25 r90
C174: PIN_NUMBER "2" at 7057.54,8049.35 h25 r270; PIN_NUMBER "1" at 7057.54,8013.35 h25 r270
C175: PIN_NUMBER "2" at 6954.54,7217.85 h25 r90; PIN_NUMBER "1" at 6954.54,7253.85 h25 r90
C176: PIN_NUMBER "2" at 7249.54,8048.85 h25 r270; PIN_NUMBER "1" at 7249.54,8012.85 h25 r270
C177: PIN_NUMBER "2" at 7195.04,7215.35 h25 r90; PIN_NUMBER "1" at 7195.04,7251.35 h25 r90
C178: PIN_NUMBER "2" at 7510.04,7624.35 h25 r180; PIN_NUMBER "1" at 7474.04,7624.35 h25 r180
C179: PIN_NUMBER "2" at 6762.04,7825.85 h25; PIN_NUMBER "1" at 6798.04,7825.85 h25
C180: PIN_NUMBER "2" at 7298.04,7249.85 h25; PIN_NUMBER "1" at 7262.04,7249.85 h25
C181: PIN_NUMBER "2" at 7187.54,7249.35 h25 r180; PIN_NUMBER "1" at 7223.54,7249.35 h25 r180
C182: PIN_NUMBER "1" at 6669.04,7326.85 h25 r90; PIN_NUMBER "2" at 6669.04,7260.85 h25 r90
C183: PIN_NUMBER "2" at 6765.04,7936.35 h25 r180; PIN_NUMBER "1" at 6699.04,7936.35 h25 r180
C184: PIN_NUMBER "2" at 6981.54,8075.85 h25 r180; PIN_NUMBER "1" at 6915.54,8075.85 h25 r180
C185: PIN_NUMBER "2" at 6790.04,7196.35 h25 r90; PIN_NUMBER "1" at 6790.04,7262.35 h25 r90
C186: PIN_NUMBER "2" at 7193.04,6799.85 h25; PIN_NUMBER "1" at 7157.04,6799.85 h25
C187: PIN_NUMBER "2" at 7082.04,6799.85 h25 r180; PIN_NUMBER "1" at 7118.04,6799.85 h25 r180
C188: PIN_NUMBER "2" at 6695.04,6509.85 h25 r270; PIN_NUMBER "1" at 6695.04,6473.85 h25 r270
C189: PIN_NUMBER "2" at 6630.04,7134.85 h25 r270; PIN_NUMBER "1" at 6630.04,7098.85 h25 r270
C190: PIN_NUMBER "2" at 6873.04,7001.85 h25 r180; PIN_NUMBER "1" at 6837.04,7001.85 h25 r180
C191: PIN_NUMBER "2" at 6873.04,7036.85 h25 r180; PIN_NUMBER "1" at 6837.04,7036.85 h25 r180
C192: PIN_NUMBER "1" at 7178.04,6720.85 h25 r90; PIN_NUMBER "2" at 7178.04,6654.85 h25 r90
C193: PIN_NUMBER "1" at 7258.04,6672.85 h25 r90; PIN_NUMBER "2" at 7258.04,6636.85 h25 r90
C194: PIN_NUMBER "1" at 7293.04,6656.85 h25 r90; PIN_NUMBER "2" at 7293.04,6620.85 h25 r90
C195: PIN_NUMBER "1" at 7160.04,6381.85 h25 r90; PIN_NUMBER "2" at 7160.04,6345.85 h25 r90
C196: PIN_NUMBER "2" at 6695.04,5649.85 h25 r270; PIN_NUMBER "1" at 6695.04,5613.85 h25 r270
C197: PIN_NUMBER "1" at 6927.04,6861.85 h25 r180; PIN_NUMBER "2" at 6993.04,6861.85 h25 r180
C198: PIN_NUMBER "2" at 6927.04,6725.85 h25; PIN_NUMBER "1" at 6993.04,6725.85 h25
C199: PIN_NUMBER "2" at 6873.04,6141.85 h25 r180; PIN_NUMBER "1" at 6837.04,6141.85 h25 r180
C200: PIN_NUMBER "2" at 6630.04,6274.85 h25 r270; PIN_NUMBER "1" at 6630.04,6238.85 h25 r270
C201: PIN_NUMBER "2" at 6873.04,6176.85 h25 r180; PIN_NUMBER "1" at 6837.04,6176.85 h25 r180
C202: PIN_NUMBER "1" at 6927.04,6164.85 h25 r180; PIN_NUMBER "2" at 6993.04,6164.85 h25 r180
C203: PIN_NUMBER "2" at 6927.04,6028.85 h25; PIN_NUMBER "1" at 6993.04,6028.85 h25
C204: PIN_NUMBER "1" at 7172.04,6023.85 h25 r90; PIN_NUMBER "2" at 7172.04,5957.85 h25 r90
C205: PIN_NUMBER "1" at 7160.04,5684.85 h25 r90; PIN_NUMBER "2" at 7160.04,5648.85 h25 r90
C206: PIN_NUMBER "1" at 7250.04,5974.85 h25 r90; PIN_NUMBER "2" at 7250.04,5938.85 h25 r90
C207: PIN_NUMBER "2" at 7113.04,6523.85 h25 r180; PIN_NUMBER "1" at 7077.04,6523.85 h25 r180
C208: PIN_NUMBER "2" at 7108.04,6698.85 h25 r180; PIN_NUMBER "1" at 7072.04,6698.85 h25 r180
C209: PIN_NUMBER "2" at 7113.04,5826.85 h25 r180; PIN_NUMBER "1" at 7077.04,5826.85 h25 r180
C210: PIN_NUMBER "2" at 7468.04,6811.85 h25 r180; PIN_NUMBER "1" at 7402.04,6811.85 h25 r180
C211: PIN_NUMBER "2" at 6927.04,6460.85 h25; PIN_NUMBER "1" at 6993.04,6460.85 h25
C213: PIN_NUMBER "2" at 7239.04,6870.85 h25 r270; PIN_NUMBER "1" at 7239.04,6804.85 h25 r270
C214: PIN_NUMBER "2" at 7108.04,6001.85 h25 r180; PIN_NUMBER "1" at 7072.04,6001.85 h25 r180
C215: PIN_NUMBER "2" at 6927.04,5763.85 h25; PIN_NUMBER "1" at 6993.04,5763.85 h25
C216: PIN_NUMBER "2" at 7240.04,6173.85 h25 r270; PIN_NUMBER "1" at 7240.04,6107.85 h25 r270
C217: PIN_NUMBER "1" at 7294.04,5963.85 h25 r90; PIN_NUMBER "2" at 7294.04,5927.85 h25 r90
C218: PIN_NUMBER "2" at 7469.04,6128.85 h25 r180; PIN_NUMBER "1" at 7403.04,6128.85 h25 r180
C219: PIN_NUMBER "2" at 7191.04,6100.85 h25; PIN_NUMBER "1" at 7155.04,6100.85 h25
C220: PIN_NUMBER "2" at 7080.04,6100.85 h25 r180; PIN_NUMBER "1" at 7116.04,6100.85 h25 r180
C223: PIN_NUMBER "2" at 10811.6,6933.62 h25 r270; PIN_NUMBER "1" at 10811.6,6999.62 h25 r270
C224: PIN_NUMBER "2" at 10886.6,6933.62 h25 r270; PIN_NUMBER "1" at 10886.6,6999.62 h25 r270
C225: PIN_NUMBER "1" at 10996.6,7323.62 h25; PIN_NUMBER "2" at 11062.6,7323.62 h25
C226: PIN_NUMBER "2" at 10989.6,6953.62 h25 r270; PIN_NUMBER "1" at 10989.6,6989.62 h25 r270
C227: PIN_NUMBER "2" at 10949.6,6953.62 h25 r270; PIN_NUMBER "1" at 10949.6,6989.62 h25 r270
C228: PIN_NUMBER "2" at 11029.6,6953.62 h25 r270; PIN_NUMBER "1" at 11029.6,6989.62 h25 r270
C229: PIN_NUMBER "2" at 11069.6,6953.62 h25 r270; PIN_NUMBER "1" at 11069.6,6989.62 h25 r270
C230: PIN_NUMBER "2" at 10804.6,7168.62 h25 r270; PIN_NUMBER "1" at 10804.6,7204.62 h25 r270
C231: PIN_NUMBER "2" at 11242.6,7266.62 h25; PIN_NUMBER "1" at 11206.6,7266.62 h25
C232: PIN_NUMBER "1" at 11206.6,7146.62 h25; PIN_NUMBER "2" at 11242.6,7146.62 h25
C233: PIN_NUMBER "2" at 10807.6,6262.62 h25 r270; PIN_NUMBER "1" at 10807.6,6328.62 h25 r270
C234: PIN_NUMBER "2" at 10882.6,6262.62 h25 r270; PIN_NUMBER "1" at 10882.6,6328.62 h25 r270
C235: PIN_NUMBER "1" at 10992.6,6652.62 h25; PIN_NUMBER "2" at 11058.6,6652.62 h25
C236: PIN_NUMBER "2" at 11025.6,6282.62 h25 r270; PIN_NUMBER "1" at 11025.6,6318.62 h25 r270
C237: PIN_NUMBER "2" at 11065.6,6282.62 h25 r270; PIN_NUMBER "1" at 11065.6,6318.62 h25 r270
C238: PIN_NUMBER "2" at 10985.6,6282.62 h25 r270; PIN_NUMBER "1" at 10985.6,6318.62 h25 r270
C239: PIN_NUMBER "2" at 10945.6,6282.62 h25 r270; PIN_NUMBER "1" at 10945.6,6318.62 h25 r270
C240: PIN_NUMBER "2" at 11238.6,6595.62 h25; PIN_NUMBER "1" at 11202.6,6595.62 h25
C241: PIN_NUMBER "1" at 10800.6,6533.62 h25 r270; PIN_NUMBER "2" at 10800.6,6497.62 h25 r270
C242: PIN_NUMBER "2" at 7205.04,6486.85 h25 r270; PIN_NUMBER "1" at 7205.04,6450.85 h25 r270
C243: PIN_NUMBER "2" at 11238.6,6475.62 h25; PIN_NUMBER "1" at 11202.6,6475.62 h25
C244: PIN_NUMBER "2" at 7115.04,5789.85 h25 r270; PIN_NUMBER "1" at 7115.04,5753.85 h25 r270
C245: PIN_NUMBER "2" at 6967.04,6538.85 h25; PIN_NUMBER "1" at 7003.04,6538.85 h25
C246: PIN_NUMBER "2" at 7115.04,6486.85 h25 r270; PIN_NUMBER "1" at 7115.04,6450.85 h25 r270
C247: PIN_NUMBER "2" at 7285.04,6486.85 h25 r270; PIN_NUMBER "1" at 7285.04,6450.85 h25 r270
C248: PIN_NUMBER "2" at 7336.04,6737.85 h25 r180; PIN_NUMBER "1" at 7300.04,6737.85 h25 r180
C249: PIN_NUMBER "2" at 7322.04,6578.85 h25; PIN_NUMBER "1" at 7358.04,6578.85 h25
C250: PIN_NUMBER "2" at 7322.04,6503.85 h25; PIN_NUMBER "1" at 7358.04,6503.85 h25
C251: PIN_NUMBER "2" at 6967.04,6638.85 h25; PIN_NUMBER "1" at 7003.04,6638.85 h25
C252: PIN_NUMBER "2" at 7135.04,6831.85 h25 r270; PIN_NUMBER "1" at 7135.04,6795.85 h25 r270
C253: PIN_NUMBER "2" at 7170.04,6831.85 h25 r270; PIN_NUMBER "1" at 7170.04,6795.85 h25 r270
C259: PIN_NUMBER "2" at 6967.04,5941.85 h25; PIN_NUMBER "1" at 7003.04,5941.85 h25
C260: PIN_NUMBER "2" at 6967.04,5841.85 h25; PIN_NUMBER "1" at 7003.04,5841.85 h25
C261: PIN_NUMBER "2" at 7170.04,6134.85 h25 r270; PIN_NUMBER "1" at 7170.04,6098.85 h25 r270
C262: PIN_NUMBER "2" at 7135.04,6134.85 h25 r270; PIN_NUMBER "1" at 7135.04,6098.85 h25 r270
C263: PIN_NUMBER "2" at 7205.04,5789.85 h25 r270; PIN_NUMBER "1" at 7205.04,5753.85 h25 r270
C264: PIN_NUMBER "2" at 7285.04,5789.85 h25 r270; PIN_NUMBER "1" at 7285.04,5753.85 h25 r270
C265: PIN_NUMBER "2" at 7322.04,5881.85 h25; PIN_NUMBER "1" at 7358.04,5881.85 h25
C266: PIN_NUMBER "2" at 7322.04,5806.85 h25; PIN_NUMBER "1" at 7358.04,5806.85 h25
C267: PIN_NUMBER "2" at 7340.04,6036.85 h25 r180; PIN_NUMBER "1" at 7304.04,6036.85 h25 r180
CN1: PIN_NUMBER "2" at 12991.25,6978.76 h25 r90; PIN_NUMBER "1" at 13109.25,6801.59 h25 r90; PIN_NUMBER "3" at 12869.09,6801.59 h25 r90
CON1: PIN_NUMBER "8" at 10268.03,7753.75 h25 r270; PIN_NUMBER "6" at 10268.03,7773.44 h25 r270; PIN_NUMBER "4" at 10268.03,7793.12 h25 r270; PIN_NUMBER "2" at 10268.03,7812.81 h25 r270; PIN_NUMBER "7" at 10108.59,7753.75 h25 r270; PIN_NUMBER "5" at 10108.59,7773.44 h25 r270; PIN_NUMBER "3" at 10108.59,7793.12 h25 r270; PIN_NUMBER "1" at 10108.59,7812.81 h25 r270; PIN_NUMBER "67" at 10098.59,7163.2 h25 r270; PIN_NUMBER "51" at 10098.59,7320.68 h25 r270; PIN_NUMBER "53" at 10098.59,7301 h25 r270; PIN_NUMBER "58" at 10258.03,7261.63 h25 r270; PIN_NUMBER "35" at 10098.59,7478.16 h25 r270; PIN_NUMBER "37" at 10098.59,7458.48 h25 r270; PIN_NUMBER "70" at 10258.03,7143.52 h25 r270; PIN_NUMBER "60" at 10258.03,7241.94 h25 r270; PIN_NUMBER "50" at 10258.03,7340.37 h25 r270; PIN_NUMBER "40" at 10258.03,7438.79 h25 r270; PIN_NUMBER "30" at 10258.03,7537.22 h25 r270; PIN_NUMBER "20" at 10258.03,7635.64 h25 r270; PIN_NUMBER "10" at 10258.03,7734.07 h25 r270; PIN_NUMBER "69" at 10098.59,7143.52 h25 r270; PIN_NUMBER "59" at 10098.59,7241.94 h25 r270; PIN_NUMBER "49" at 10098.59,7340.37 h25 r270; PIN_NUMBER "39" at 10098.59,7438.79 h25 r270; PIN_NUMBER "29" at 10098.59,7537.22 h25 r270; PIN_NUMBER "19" at 10098.59,7635.64 h25 r270; PIN_NUMBER "9" at 10108.59,7734.07 h25 r270; PIN_NUMBER "48" at 10258.03,7360.05 h25 r270; PIN_NUMBER "44" at 10258.03,7399.42 h25 r270; PIN_NUMBER "56" at 10258.03,7281.31 h25 r270; PIN_NUMBER "54" at 10258.03,7301 h25 r270; PIN_NUMBER "46" at 10258.03,7379.74 h25 r270; PIN_NUMBER "36" at 10258.03,7478.16 h25 r270; PIN_NUMBER "38" at 10258.03,7458.48 h25 r270; PIN_NUMBER "41" at 10098.59,7419.11 h25 r270; PIN_NUMBER "45" at 10098.59,7379.74 h25 r270; PIN_NUMBER "43" at 10098.59,7399.42 h25 r270; PIN_NUMBER "47" at 10098.59,7360.05 h25 r270; PIN_NUMBER "42" at 10258.03,7419.11 h25 r270; PIN_NUMBER "16" at 10258.03,7675.01 h25 r270; PIN_NUMBER "28" at 10258.03,7556.9 h25 r270; PIN_NUMBER "26" at 10258.03,7576.59 h25 r270; PIN_NUMBER "34" at 10258.03,7497.85 h25 r270; PIN_NUMBER "32" at 10258.03,7517.53 h25 r270; PIN_NUMBER "75" at 10098.59,7084.46 h25 r270; PIN_NUMBER "77" at 10098.59,7064.78 h25 r270; PIN_NUMBER "18" at 10258.03,7655.33 h25 r270; PIN_NUMBER "22" at 10258.03,7615.96 h25 r270; PIN_NUMBER "24" at 10258.03,7596.27 h25 r270; PIN_NUMBER "27" at 10098.59,7556.9 h25 r270; PIN_NUMBER "23" at 10098.59,7596.27 h25 r270; PIN_NUMBER "25" at 10098.59,7576.59 h25 r270; PIN_NUMBER "21" at 10098.59,7615.96 h25 r270; PIN_NUMBER "31" at 10098.59,7517.53 h25 r270; PIN_NUMBER "61" at 10098.59,7222.26 h25 r270; PIN_NUMBER "33" at 10098.59,7497.85 h25 r270; PIN_NUMBER "63" at 10098.59,7202.57 h25 r270; PIN_NUMBER "65" at 10098.59,7182.89 h25 r270; PIN_NUMBER "73" at 10098.59,7104.15 h25 r270; PIN_NUMBER "71" at 10098.59,7123.83 h25 r270; PIN_NUMBER "82" at 10258.31,6928.95 h25 r270; PIN_NUMBER "81" at 10205.55,7913.99 h25 r270; PIN_NUMBER "80" at 10258.03,7045.09 h25 r270; PIN_NUMBER "79" at 10098.59,7045.09 h25 r270; PIN_NUMBER "78" at 10258.03,7064.78 h25 r270; PIN_NUMBER "76" at 10258.03,7084.46 h25 r270; PIN_NUMBER "74" at 10258.03,7104.15 h25 r270; PIN_NUMBER "72" at 10258.03,7123.83 h25 r270; PIN_NUMBER "68" at 10258.03,7163.2 h25 r270; PIN_NUMBER "66" at 10258.03,7182.89 h25 r270; PIN_NUMBER "64" at 10258.03,7202.57 h25 r270; PIN_NUMBER "62" at 10258.03,7222.26 h25 r270; PIN_NUMBER "57" at 10098.59,7261.63 h25 r270; PIN_NUMBER "55" at 10098.59,7281.31 h25 r270; PIN_NUMBER "52" at 10258.03,7320.68 h25 r270; PIN_NUMBER "17" at 10098.59,7655.33 h25 r270; PIN_NUMBER "15" at 10098.59,7675.01 h25 r270; PIN_NUMBER "14" at 10258.03,7694.7 h25 r270; PIN_NUMBER "13" at 10098.59,7694.7 h25 r270; PIN_NUMBER "12" at 10258.03,7714.38 h25 r270; PIN_NUMBER "11" at 10098.59,7714.38 h25 r270